# Allegro board board_orcad.brd (continued)
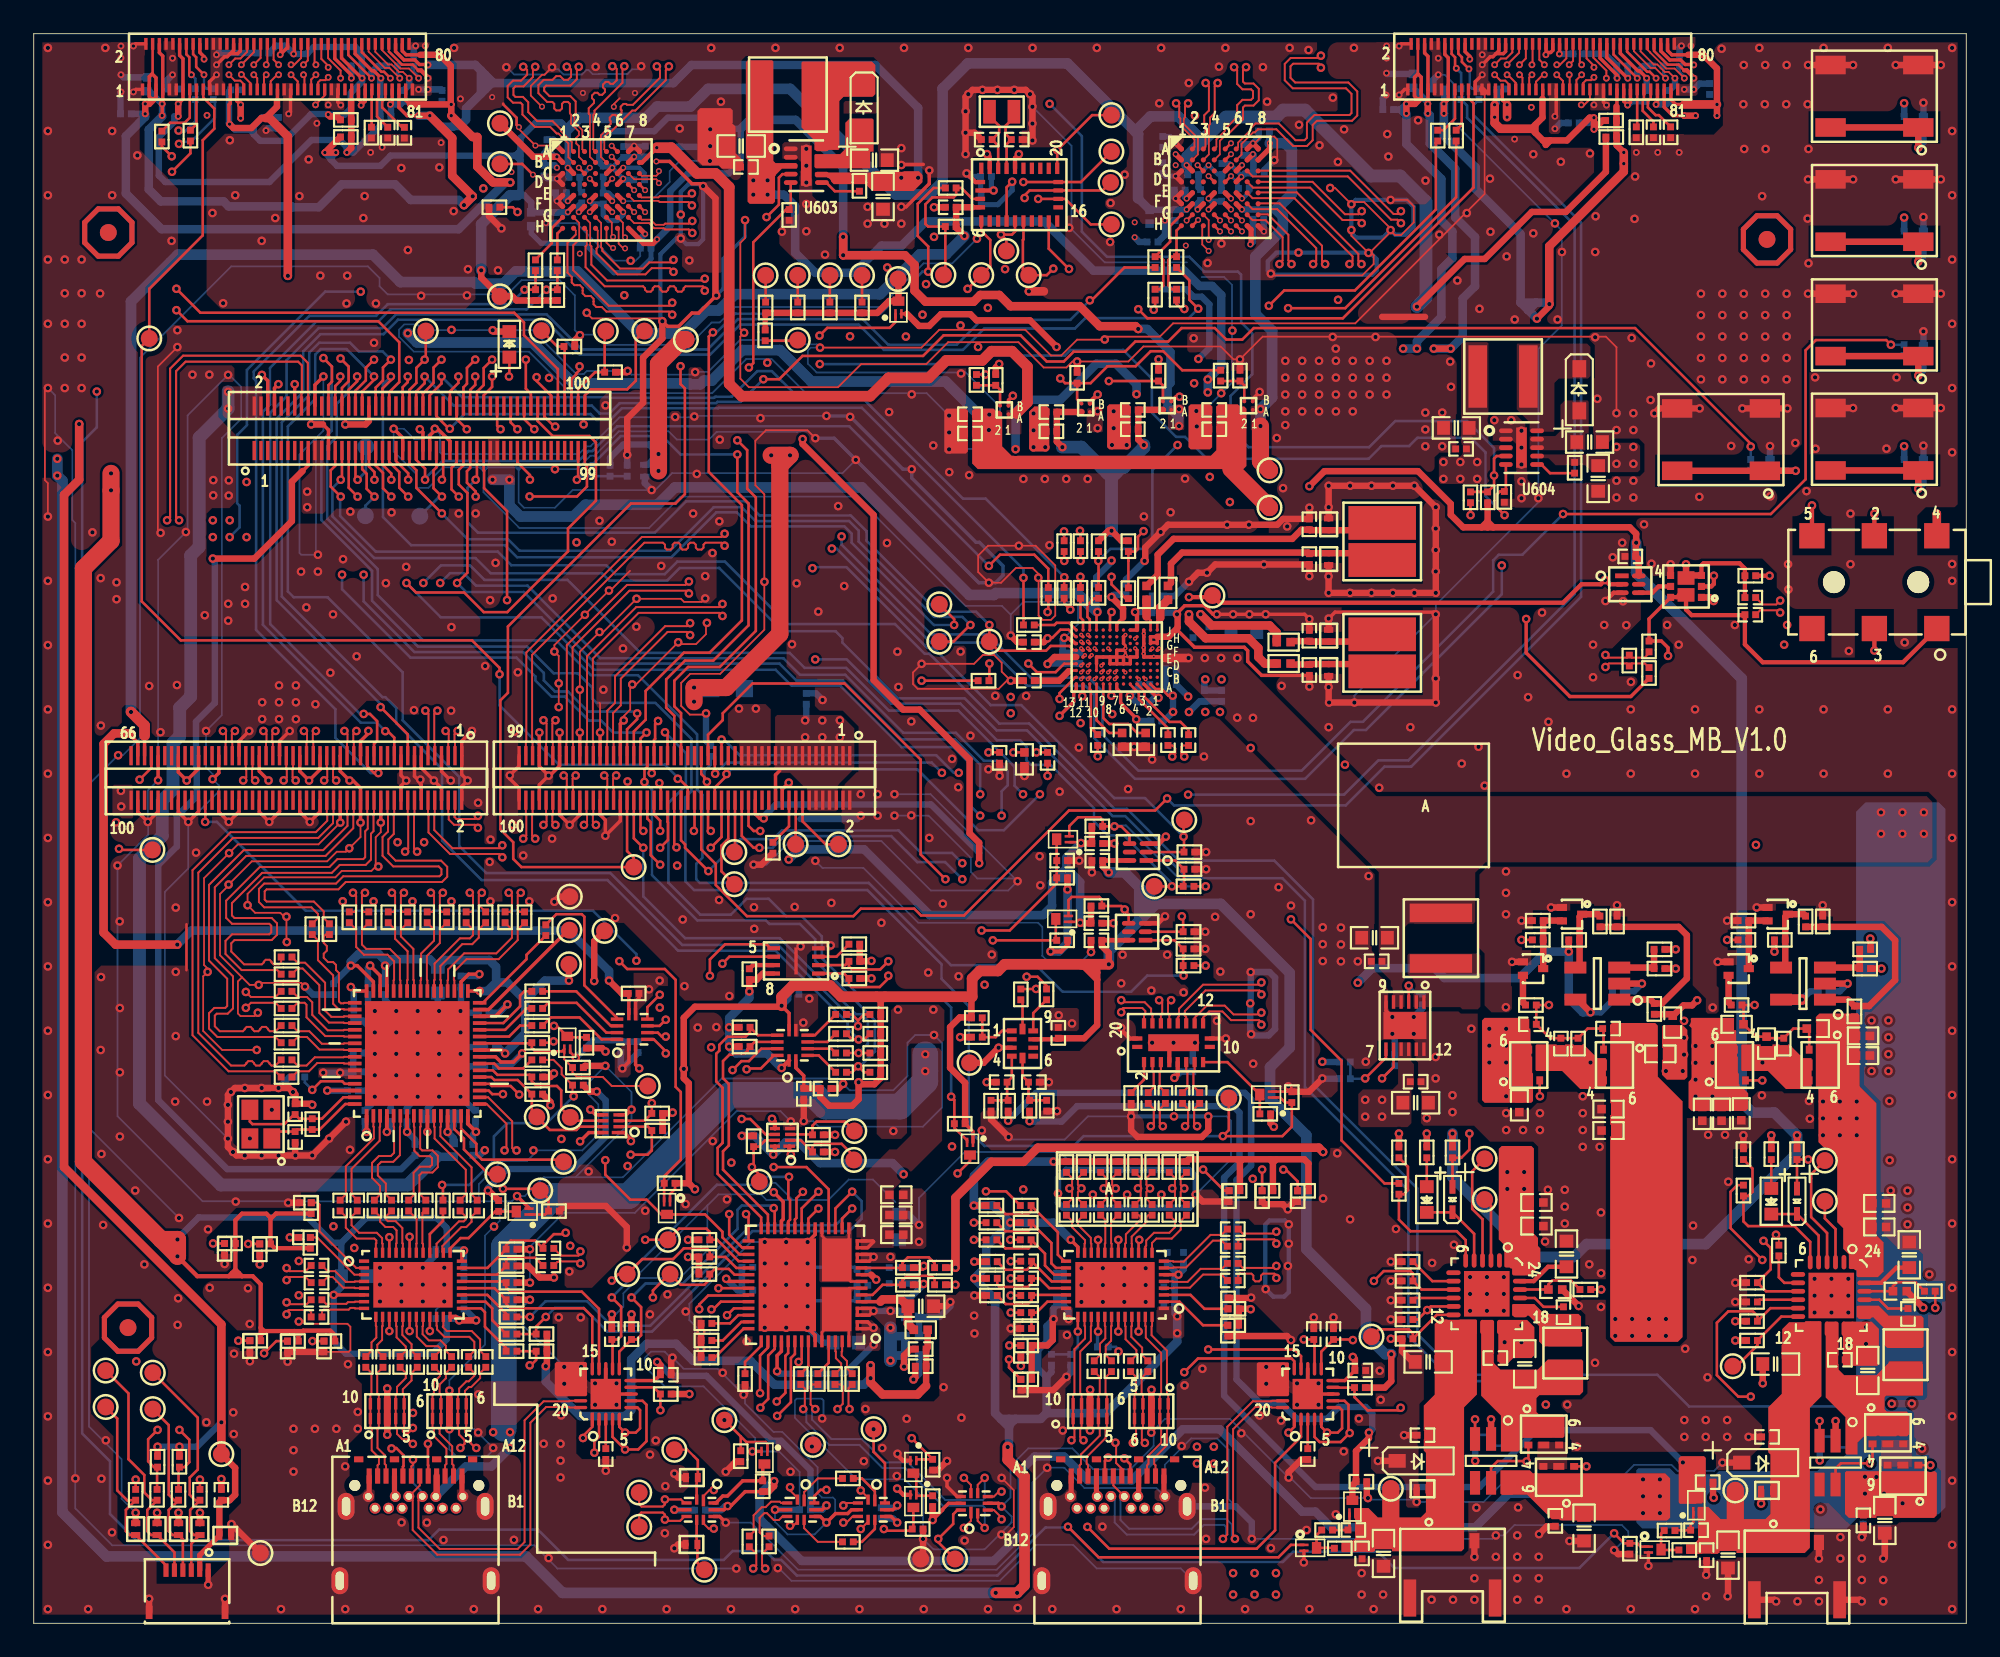
[diagram p0: board, top side]
## Routing (per net, layer and track width the routed paths; a pad name or vN(x,y) marks a point on that pad's centre or on a via; arc(x,y) is an arc through that point) (continued)
USB1_SS_RX_P: length 78.1
  TOP w0.114: J501.69 11.77,52.24 11.74,52.27 11.74,52.72 v1(11.93,52.9)
  TOP w0.127: v1(66.22,29.47) 66.4,29.65 66.4,30.49 C525.1
  ART06 w0.127: v1(66.22,29.47) 66.29,29.47 66.42,29.6 66.42,30.2 63.25,33.38 63.25,35.15 57.28,41.11 57.28,44.88 56.32,45.85 54.29,45.85 54.08,45.64 52.53,45.64 52.32,45.85 46.56,45.85 42.86,49.55 42.86,51.15 40.93,53.08 38.54,53.08 36.81,54.81 35.21,54.81 34.8,54.4 31.98,54.4 31.52,54.86 26.67,54.86 25.25,56.28 18.54,56.28 17.98,56.85 13.96,56.85 13.25,56.13 13.25,55.95 13.3,55.9 13.3,55.72 13.12,55.54 12.94,55.54 12.89,55.59 12.71,55.59 12.53,55.41 12.53,55.23 12.58,55.18 12.58,55 12.4,54.82 12.22,54.82 12.17,54.87 11.99,54.87 11.75,54.63 11.75,54.19 11.88,54.06 11.91,54.06 12.04,53.93 12.04,53.68 11.91,53.55 11.88,53.55 11.75,53.43 11.75,53.08 v1(11.93,52.9)
USB1_SS_TX_N: length 91.9
  TOP w0.114: v1(12.41,49.97) 12.6,50.15 12.6,50.6 12.57,50.63 J501.65
  TOP w0.127: v1(68.96,29.47) 68.78,29.65 68.78,30.49 C528.1
  ART06 w0.127: v1(68.96,29.47) 68.86,29.57 68.86,29.58 68.86,30.02 65.58,33.3 65.58,39.92 64.84,40.67 61.06,40.67 59.15,42.57 59.15,45.6 57.62,47.13 55.57,47.13 55.12,47.57 52.77,47.57 52.44,47.24 48.62,47.24 44.45,51.41 44.45,54.79 42.66,56.58 29.87,56.58 28.1,58.34 12.98,58.34 9.39,54.75 9.39,51.83 10.04,51.18 12.47,51.18 12.59,51.05 12.59,50.15 v1(12.41,49.97)
USB1_SS_TX_P: length 91.8
  TOP w0.114: v1(13.13,49.97) 12.94,50.15 12.94,50.6 12.97,50.63 J501.63
  TOP w0.127: v1(68.25,29.47) 68.43,29.65 68.43,30.49 C527.1
  ART06 w0.127: v1(13.13,49.97) 12.95,50.15 12.95,51.2 12.61,51.54 12.3,51.54 12.17,51.66 12.17,51.82 12.05,51.94 11.79,51.94 11.67,51.82 11.67,51.66 11.54,51.54 11.28,51.54 11.16,51.66 11.16,51.82 11.03,51.94 10.78,51.94 10.65,51.82 10.65,51.66 10.52,51.54 10.19,51.54 9.74,51.98 9.74,54.6 13.13,57.99 27.96,57.99 29.72,56.22 42.51,56.22 44.09,54.64 44.09,51.26 48.47,46.89 52.58,46.89 52.91,47.22 54.97,47.22 55.42,46.77 57.48,46.77 58.8,45.45 58.8,42.42 60.91,40.31 64.69,40.31 65.22,39.78 65.22,33.16 68.5,29.88 68.5,29.72 v1(68.25,29.47)
USB3_SEL: length 103.4
  TOP w0.152: v1(17.17,75.01) 17.68,74.5 17.68,73.61 17.47,73.4 J302.24 ; TP503.1 70.84,29.24 v1(70.48,28.88) 74.02,28.88 74.57,29.44 R541.1 74.18,30.87 73.89,31.17 Q503.1
  BOTTOM w0.152: v1(17.17,75.01) 17.65,74.52 17.65,70.69 17.05,70.09 17.05,65.39 20.06,62.39 20.06,60.62 22.77,57.9 29.24,57.9 30.82,56.32 32.25,56.32 33.1,55.47 33.1,54.83 33.37,54.56 36.85,54.56 38.99,52.43 38.99,49.33 38.63,48.97 38.63,43.98 39.14,43.47 49.41,43.47 53.81,39.07 53.81,38.2 55.42,36.59 55.42,29.24 56.36,28.3 61.65,28.3 62.23,28.88 v1(70.48,28.88)
USB_D+: length 4
  TOP w0.127: TP403.1 38.75,10.29 39.12,9.91
  TOP w0.152: 39.12,9.91 39.36,9.67 T409.2 39.3,8.57 U403.2
USB_D-: length 3.1
  TOP w0.152: U403.6 39.3,4.72 T410.2 39.34,3.59 TP402.1
USB_HS1_VBUS_DET: length 4.8
  TOP w0.152: v1(32.2,67.79) 32.27,67.87 J302.97
  BOTTOM w0.152: v1(32.2,67.79) 32.41,68.01 R427.2 R428.1 R429.2
USB_HUB_RESET: length 5.5
  TOP w0.152: TP304.1 33.84,76.54 R301.1 33.27,74.17 32.27,73.16 J302.98
USB_ID: length 31.1
  TOP w0.152: J301.53 37.97,53.8 37.49,54.28 37.49,55.96 38.61,57.07 40.28,57.07 42.37,59.16 42.37,66.39 41.71,67.06 v1(41.71,69.29)
  BOTTOM w0.152: R427.1 33.15,68.73 34.8,70.38 37.25,70.38 38.34,69.29 v1(41.71,69.29)
USB_L_SEL: length 132.8
  TOP w0.152: U405.10 50.46,9.49 49.78,10.16 v1(49.78,11.51) ; v1(19.17,73.91) 19.17,73.63 18.67,73.13 J302.30
  ART03 w0.122: v1(19.17,73.91) 19.68,74.43 19.68,78.64 v1(19.38,78.94)
  ART06 w0.122: v1(11.62,64.39) 11.62,62.93 2.9,54.21 2.9,21.54 10.27,14.16 18.32,14.16 19.65,15.49 26.04,15.49 27.57,17.02 38.09,17.02 39.44,15.68 44.36,15.68 44.84,15.2 44.84,12.09 45.26,11.67 49.62,11.67 v1(49.78,11.51)
  BOTTOM w0.152: v1(19.38,78.94) 17.28,78.94 12.64,74.31 12.64,71.03 12.05,70.45 12.05,66.41 12.2,66.26 12.2,64.98 v1(11.62,64.39)
USB_R_SEL: length 131.3
  TOP w0.152: TP501.1 53.61,4.81 v1(53.61,5) 54.5,5.89 54.5,6.46 54.75,6.71 U502.10 ; J302.57 24.27,67.87 v1(24.2,67.79)
  ART03 w0.122: v1(12.62,67.66) 12.88,67.92 17.41,67.92 18.02,67.31 23.71,67.31 v1(24.2,67.79)
  ART06 w0.122: v1(12.62,67.66) 12.62,66.39 12.12,65.89 12.12,63.04 3.19,54.11 3.19,21.8 10.49,14.5 16.62,14.5 17.99,15.88 25.93,15.88 27.39,17.34 38.29,17.34 38.9,16.73 40.78,16.73 41.55,15.96 46.11,15.96 47.02,15.05 47.02,12.54 47.56,11.99 50.08,11.99 54.16,7.91 54.16,5.55 v1(53.61,5)
USB_VBUS_5V: length 42.6
  TOP w1.016: v1(39.14,54.64) v1(39.14,55.47) 41.05,55.47 44.23,58.65 44.23,68.64 v1(44.83,69.24) v1(43.71,69.24) ; v1(37.03,68.32) v1(37.03,69.32) 37.03,74.67 38.47,76.1 TP401.1
  ART06 w1.016: v1(37.03,68.32) v1(37.03,69.32) 39.53,69.32 40.83,68.02 42.49,68.02 v1(43.71,69.24) v1(44.83,69.24)
  BOTTOM w0.381: T411.2 36.39,68.68 v1(37.03,69.32) 36.47,69.88 34.94,69.88 34.16,69.1 R428.2
VOLUME_DOWN: length 143.6
  TOP w0.152: J301.63 35.97,52.45 v1(36.32,52.81) ; v1(110.09,75.8) 109.81,76.07 105.64,76.07 105.03,75.46 105.03,67.82 102.97,65.76 v1(90.65,65.76)
  ART06 w0.122: v1(18.28,62.17) 18.74,62.17 20.29,63.72 31.58,63.72 31.98,63.32 34.83,63.32 38.2,66.69 44.87,66.69 47.13,64.43 v1(47.89,64.43)
  BOTTOM w0.152: v1(36.32,52.81) 34.34,52.81 33.63,53.52 32.91,53.52 31.49,54.94 30.69,54.94 29.74,55.89 29.74,56.12 28.62,57.25 22.33,57.25 18.28,61.3 v1(18.28,62.17) ; v1(90.65,65.76) 88.24,63.35 86.84,63.35 86.51,63.01 86.51,61.16 78.79,53.44 78.05,53.44 75.16,50.55 65.48,50.55 63.35,52.68 63.35,55.24 62.53,56.06 59.11,56.06 56.54,58.62 53.21,58.62 47.89,63.94 v1(47.89,64.43) ; v1(110.09,75.8) R1102.1
VOLUME_UP: length 134.1
  TOP w0.152: v1(10.16,47.51) 10.17,47.52 J501.78
  ART03 w0.122: v1(35.72,39.28) 35.72,40.57 38.98,43.83 38.98,44.38 39.94,45.34 40.2,45.34 43.12,48.26 47.14,48.26 49.99,51.1 49.99,58.29 57.23,65.54 64.13,65.54 65.74,63.93 66.75,63.93 71.77,68.95 78.54,68.95 82.38,72.8 89.87,72.8 107.18,90.11 v1(110.87,90.11)
  BOTTOM w0.152: v1(35.72,39.28) 35.72,39.67 33.15,42.25 16.12,42.25 10.86,47.51 v1(10.16,47.51)
  BOTTOM w0.381: R1101.1 v1(110.87,90.11)
VREG_L14A_2P8: length 97.9
  TOP w0.203: 19.87,71.27 J302.36
  TOP w0.305: J1105.2 9.84,4.04 T1105.2
  TOP w0.381: R1113.1 v1(8.64,10.46) ; TP1101.1 11.94,9.21 11.94,7.62 11.61,7.29 C1106.2 11,7.18 T1105.2 ; 19.87,71.27 19.67,71.07 v1(18.47,71.07) ; R1112.1 v1(7.34,10.46)
  TOP w0.508: TP1101.1 v1(11.12,11.91) 11.12,17.72 1.8,27.04 1.8,66.9 2.69,67.79 v1(2.69,71.09)
  ART03 w0.508: v1(2.69,71.09) 3.38,70.41 17.81,70.41 v1(18.47,71.07)
  BOTTOM w0.381: v1(7.34,10.46) v1(8.64,10.46) 9.67,10.46 v1(11.12,11.91)
VREG_L15A_1P2: length 63.1
  TOP w0.203: v1(13.52,74.01) 13.87,73.66 J302.6
  TOP w1.016: 70.97,68.43 TP704.1
  ART03 w0.508: v1(13.52,74.01) 12.45,75.09 12.45,80.11 12.95,80.62 19.15,80.62 22.17,77.6 v1(22.17,76.48)
  BOTTOM w0.635: v1(22.17,76.48) 22.72,75.93 29.55,75.93 31.98,73.51 38.85,73.51 38.91,73.45 39.51,73.45 39.73,73.67 40.19,73.67 42,75.48 44.23,75.48 46.1,73.61 54.05,73.61 56.01,71.65 v1(56.64,71.65) 56.64,70.76 v1(56.62,70.74)
VREG_L17A_3P3: length 61
  TOP w0.203: 15.94,68.31 16.27,68.65 J302.17
  TOP w0.381: v1(10.62,63.12) 13.08,63.12 15.3,65.34 15.3,67.68 15.94,68.31
  BOTTOM w0.381: R714.2 21.78,26.92 11.47,26.92 7.38,31.01 7.38,44.95 8.48,46.05 8.48,47.85 9.66,49.03 9.66,50.81 9.62,50.86 9.62,53.45 10.74,54.57 10.74,63 v1(10.62,63.12)
VREG_L18A_1P8: length 156.4
  TOP w0.203: v5(94.49,91.6) 94.47,91.6 93.25,92.82 J602.60 ; J602.27 86.65,90.07 v5(86.6,90.02) ; 89.43,90.37 89.45,90.39 J602.41 ; v5(90.43,93.04) 90.45,93.05 J602.46
  TOP w0.381: 89.47,87.91 89.02,88.36 ; 89.47,87.91 89.9,87.91 ; 89.47,87.91 89.63,87.74 89.63,87.65 89.9,87.91 ; 89.02,88.36 88.77,88.6 89.02,88.84 ; 89.02,88.36 89.02,88.84 ; 89.9,87.91 90.88,87.91 92.23,89.26 v5(92.48,89.26) v5(92.48,88.57) 93,89.09 R617.2 ; 89.02,88.84 89.43,89.26 89.43,90.37
  TOP w0.508: v5(86.6,90.02) v5(86.6,89.29) 86.6,88.94 86.94,88.6 88.77,88.6
  ART03 w0.381: v5(90.43,93.04) 93.83,93.04 94.49,92.38 v5(94.49,91.6) 94.49,91.06 93.85,90.42 93.85,89.61 92.81,88.57 v5(92.48,88.57)
  ART06 w0.381: v1(5.19,48.42) 5.19,49.33 v1(5.17,49.35)
  ART06 w0.508: v1(58.2,69.61) 55.51,69.61 54.81,68.91 53.69,68.91 51.18,66.4 51.18,65.6 47.36,61.77 47.36,56.57 46.87,56.08 44.82,56.08 43.42,57.48 36.34,57.48 35.32,58.5 34.55,58.5 33.77,57.72 32.11,57.72 30.69,59.13 26.09,59.13 25.46,59.76 24.14,59.76 23.48,59.1 12.25,59.1 11.7,58.55 10.29,58.55 7.52,55.77 7.52,54.94 6.8,54.22 6.8,51.96 5.17,50.33 v1(5.17,49.35) ; v1(65.37,72.87) 65.81,72.87 67.78,74.84 67.78,76.31 68.36,76.89 70,76.89 70.54,77.42 71.94,77.42 72.38,76.99 74.77,76.99 77.16,79.38 80.46,79.38 81.57,80.49 85.61,80.49 86.23,79.87 92.3,79.87 93.55,81.13 93.55,84.6 93.1,85.05 93.1,87.96 v5(92.48,88.57) v5(92.48,89.26)
  BOTTOM w0.381: v5(86.6,89.29) v5(86.6,90.02) 86.73,90.15 C655.1 ; v5(90.43,93.04) 91.24,93.04 C654.2 ; v5(94.49,91.6) 94.49,92.32 C653.1 ; C652.2 92.17,88.95 v5(92.48,89.26)
  BOTTOM w0.508: v1(65.37,72.87) 65.37,73.44 64.14,74.67 62.99,74.67 60.85,72.53 58.91,72.53 58.2,71.82 v1(58.2,69.61)
VREG_L19A_1P2: length 65.7
  BOTTOM w0.508: R715.2 23.84,27.66
  BOTTOM w0.762: 23.84,27.66 22.17,25.98 11.09,25.98 6.26,30.82 6.26,45.33 7.62,46.69 7.62,48.79 8.26,49.43 8.26,52.19 8.65,52.59 8.65,54.28 9.3,54.93 9.3,63.3 9.8,63.8 9.8,70.29 v1(11.52,72.01) v1(11.52,73.01)
VREG_L21A_3P3: length 207.8
  TOP w0.203: U401.28 25.38,21.98 v1(25.5,22.1) ; U401.6 v1(17.78,19.47)
  TOP w0.254: U401.20 25.01,18.17 v1(25.22,17.96) ; 13.45,17.06 13.71,17.32 ; 13.45,17.06 R424.1 ; 13.45,17.06 13.45,17.53 ; 13.71,17.32 15.44,17.32 ; 13.71,17.32 13.66,17.32 13.45,17.53 ; v1(8.52,21.75) 9.7,20.57 11.56,20.57 ; 11.95,20.97 R412.1 11.95,23.89 12.34,24.28 13.79,24.28 14.04,24.04 14.04,23.97 ; 11.95,20.97 11.75,20.76 ; 11.95,20.97 12.16,20.76 ; 11.56,20.57 12.35,20.57 ; 11.56,20.57 11.75,20.76 ; 12.35,20.57 12.98,20.57 13.45,20.1 13.45,17.53 ; 12.35,20.57 12.16,20.76 ; R414.1 14.36,24.29 14.04,23.97 ; 15.44,17.32 15.95,17.32 ; 15.44,17.32 15.69,17.08 15.69,17.06 ; 15.95,17.32 15.98,17.35 17.58,17.35 17.85,17.08 R416.1 ; 15.95,17.32 15.69,17.06 ; 15.69,17.06 R418.1 ; 14.04,23.97 R420.1 14.29,22.24 R422.1 ; 11.75,20.76 12.16,20.76
  TOP w0.381: v1(33.38,31.52) 32.96,31.52 R728.2 ; R436.1 26.96,25.65 v1(26.92,25.65) ; R410.2 29.31,21.18 30,20.5 v1(30.84,20.5) ; v1(25.22,17.96) v1(26.22,17.96) ; R402.1 R403.1 30.42,15.31 v1(30.35,15.24) ; R813.1 52.99,16.35 C835.1 C836.1 52.9,14.07
  TOP w0.508: v1(49.61,15.29) v1(49.61,14.53) 49.61,14.27 50.32,13.56 52.39,13.56 52.9,14.07
  TOP w1.016: 8.52,21.79 v1(8.52,22.75) 7.56,22.75 ; 8.52,21.79 7.56,22.75 ; 8.52,21.79 v1(8.52,21.75) ; 7.56,22.75 2.95,27.36 2.95,62.53 4.58,64.17 v1(4.58,67.17) v1(4.58,68.17)
  ART03 w0.381: v1(30.84,20.5) 31.73,19.6 31.73,17.23 30.35,15.85 v1(30.35,15.24)
  ART06 w0.381: v1(26.92,25.65) 26.01,25.65 25.5,25.14 v1(25.5,22.1) 26.31,21.29 30.05,21.29 v1(30.84,20.5)
  ART06 w0.762: v1(16.21,66.16) 16.21,67.08 v1(16.21,67.09) 16.21,68.09 14.67,69.63 6.05,69.63 v1(4.58,68.17) v1(4.58,67.17)
  BOTTOM w0.381: v1(26.22,17.96) 25.55,18.63 C411.1 ; v1(26.92,25.65) 26.92,25.79 28.07,26.93 31.98,26.93 33.9,28.85 33.9,31 v1(33.38,31.52) ; 18.23,22.56 19.7,24.02 23.9,24.02 24.48,23.44 C413.1 25.45,22.15 v1(25.5,22.1) C412.1 ; 18.23,22.56 18.23,20.58 C409.1 18.24,19.93 v1(17.78,19.47) 17.78,16.71 18.51,15.98 23.63,15.98 24.48,16.83 C410.1 25.12,18.06 v1(25.22,17.96) ; 18.23,22.56 17.74,22.56 16.24,24.06 9.77,24.06 8.52,22.81 v1(8.52,22.75) v1(8.52,21.75)
  BOTTOM w0.508: v1(30.35,15.24) 30.35,14.33 32.4,12.28 35.07,12.28 35.41,12.63 35.41,15.65 36.34,16.57 38.07,16.57 39.09,15.56 42.48,15.56 43.9,14.14 49.22,14.14 v1(49.61,14.53) v1(49.61,15.29)
VREG_L22A_2P85: length 76.7
  TOP w0.203: J301.30 42.77,47.98 43.04,47.72 v1(43.27,47.72)
  TOP w0.254: U1101.3 v1(56.9,84.94)
  TOP w0.381: v1(56.04,45.06) 56.04,46.27 55.47,46.84 55.47,51.21 52.51,54.17 51.53,54.17 49.78,55.92 49.78,65.7 45.58,69.91 v1(45.58,70.21)
  ART03 w0.381: v1(45.58,70.21) 45.58,80.99 46.51,81.92 46.51,85.5 49.23,88.21 51.94,88.21 54.95,85.21 56.63,85.21 v1(56.9,84.94)
  BOTTOM w0.305: C1101.1 56.77,85.07 v1(56.9,84.94)
  BOTTOM w0.381: v1(43.27,47.72) 43.27,47.82 43.99,48.54 53.19,48.54 56.04,45.69 v1(56.04,45.06)
VREG_L23A_1P8: length 55.1
  TOP w0.203: v5(15.41,93.04) 15.45,93.08 J601.46 ; 14.42,90.25 14.45,90.27 J601.41 ; v5(19.46,91.6) 19.44,91.6 18.25,92.79 J601.60 ; J302.23 17.47,70.75 17.14,71.07 ; J601.27 11.65,90.1 11.57,90.02 11.57,88.91 v5(11.61,88.87)
  TOP w0.381: 14.42,90.25 14.42,89.91 13.75,89.24 13.49,89.24 12.9,88.65 11.84,88.65 v5(11.61,88.87) ; v5(17.46,89.44) 17.56,89.33 17.98,89.33 R615.2 ; 17.14,71.07 v1(16.44,71.07)
  TOP w0.508: v1(15.06,79.88) 15.06,88.14 13.97,89.24 13.75,89.24
  ART03 w0.508: v1(16.44,71.07) 16.18,71.34 16.18,78.77 v1(15.06,79.88)
  BOTTOM w0.381: 13.04,88.33 13.04,88.27 13.42,87.88 14.85,87.88 16.44,89.47 17.42,89.47 v5(17.46,89.44) 18.42,89.44 18.8,89.81 18.8,90.73 19.46,91.39 v5(19.46,91.6) 19.46,92.32 C640.2 19.45,93.07 19.07,93.45 16.59,93.45 16.21,93.07 16.21,93.04 v5(15.41,93.04) 14.92,93.52 14.38,93.52 13.94,93.09 C641.1 ; 13.04,88.33 13.04,88.76 ; 13.04,88.33 12.83,88.54 ; 13.04,88.76 12.83,88.54 ; 13.04,88.76 13.55,89.27 C639.1 ; 12.83,88.54 11.94,88.54 v5(11.61,88.87) 11.57,88.91 11.57,90.8 C638.2
VREG_L29A_3P3: length 249.4
  TOP w0.102: 60.4,17.98 v1(60.45,18.03)
  TOP w0.203: J302.51 23.07,70.61 v1(22.89,70.79) ; U501.6 v1(67.85,20.67) ; v1(61.47,22.73) 61.89,22.31 U501.20
  TOP w0.381: v1(60.45,27.37) R508.1 R507.1 R506.1 R505.1 R504.1 R503.1 R502.1 R501.1 68.46,27.51 71.37,27.51 ; 60.4,17.98 60.4,16.79 60.08,16.47 R533.1 R531.1 ; 73.28,27.51 73.66,27.51 ; 73.28,27.51 73.45,27.33 73.45,27.3 ; 73.28,27.51 71.65,27.51 ; 73.66,27.51 73.45,27.3 ; 73.66,27.51 75.31,27.51 75.56,27.26 R535.1 ; 73.45,27.3 R527.1 ; R509.1 v1(55.75,20.45) ; 71.5,27.35 R539.1 ; 71.5,27.35 71.5,27.38 71.37,27.51 ; 71.5,27.35 71.65,27.51 ; 71.37,27.51 71.65,27.51 ; R520.2 v1(57.89,23.75) ; R529.1 71.43,17.68 R537.1 72.11,18.64 v1(72.14,18.62) ; R519.2 v1(55.73,24.77)
  TOP w0.635: v1(57.73,10.45) 57.73,9.7 58.73,8.71 58.73,2.24 v1(58.29,1.8) v1(57.02,1.8)
  ART03 w0.381: v1(22.89,70.79) 21.9,69.8 2.16,69.8 v1(1.4,69.04) v1(1.4,68.04)
  ART05 w0.381: v1(72.14,18.62) 68.21,18.62 v1(67.78,18.2)
  BOTTOM w0.381: v1(67.85,20.67) 67.63,20.44 C521.1 C523.1 67.63,18.35 v1(67.78,18.2) ; v1(67.85,20.67) 68.16,20.97 C522.1 ; v1(67.85,20.67) 67.19,21.33 C520.1 ; v1(61.34,18.03) 61.34,18.54 C519.1 60.45,18.67 v1(60.45,18.03) 60.03,17.62 60.03,16.55 59.91,16.55 59.54,16.18 59.54,15.09 60.03,14.59 60.33,14.88 R514.2
  BOTTOM w0.508: v1(67.78,18.2) v1(67.78,17.2) 67.78,16.7 63.54,12.46 60.03,12.46 ; 57.81,11.63 57.33,12.12 ; 57.81,11.63 57.81,10.53 v1(57.73,10.45) ; 57.81,11.63 57.81,11.73 ; 57.33,12.12 56.99,12.46 56.99,19.21 v1(55.75,20.45) 56.46,21.16 56.46,22.33 v1(57.89,23.75) ; 57.33,12.12 57.81,12.12 ; 57.81,11.73 58.19,12.12 ; 57.81,11.73 57.81,12.12 ; 58.19,12.12 59.69,12.12 60.03,12.46 ; 58.19,12.12 57.81,12.12 ; 60.03,12.46 60.03,14.59 ; v1(57.89,23.75) 56.87,24.77 v1(55.73,24.77) 55.73,26.52 56.58,27.37 v1(60.45,27.37) ; v1(57.89,23.75) 60.45,23.75 v1(61.47,22.73)
  BOTTOM w0.635: v1(1.4,69.04) v1(1.4,68.04) 1.7,67.73 1.7,6.58 4.32,3.96 29.18,3.96 31.34,1.8 v1(57.02,1.8) v1(58.29,1.8)
VREG_LVS1A_1P8: length 120.5
  TOP w0.152: v1(62.03,41.53) 61.97,41.58 Q702.1 ; v1(62.08,46.25) 62.02,46.31 Q701.1
  TOP w0.203: U701.8 35.28,37.3 R712.2 ; U702.1 35,29.09 35.4,28.69 v1(35.4,28.59) ; v1(32.99,30.45) 33.31,30.14 U702.5 ; 5.77,52.76 5.77,52.6 6.17,52.2 J501.97
  TOP w0.381: R712.2 34.86,37.34 v1(34.1,38.1) ; R710.1 C705.1 62.05,41.5 v1(62.03,41.53) ; v1(62.08,46.25) 62.1,46.23 C706.1 R707.1 ; R704.2 R705.2 37.82,30.23 v1(37.87,30.28)
  TOP w0.508: v1(8.51,40.23) 4.85,40.23 4.14,40.94 4.14,52.13 4.77,52.76 5.77,52.76
  ART03 w0.508: v1(44.75,45.28) 43.53,44.05 40.83,44.05 39.32,42.54 39.32,41.48 35.94,38.1 v1(34.1,38.1)
  ART05 w0.508: v1(34.1,38.1) 36,38.1 36.72,38.82 38.46,38.82 39.23,38.04 39.23,36.58 38.59,35.94 38.59,34.73 39.22,34.11 39.22,31.62 v1(37.87,30.28) 36.37,28.78 35.59,28.78 v1(35.4,28.59) 34.86,28.59 v1(32.99,30.45)
  BOTTOM w0.508: 61.21,44.75 61.21,45.39 v1(62.08,46.25) ; 61.21,44.75 61.57,44.4 ; 61.21,44.75 60.86,44.4 ; 61.57,44.4 61.8,44.17 ; 61.57,44.4 60.86,44.4 ; 61.8,44.17 62.03,43.94 v1(62.03,41.53) ; 61.8,44.17 60.63,44.17 ; v1(34.1,38.1) 34.1,38.67 31.7,41.07 9.34,41.07 v1(8.51,40.23) ; 60.63,44.17 60.36,43.9 60.36,42.51 59.84,41.99 53.11,41.99 49.22,45.88 45.35,45.88 v1(44.75,45.28) ; 60.63,44.17 60.86,44.4
VREG_LVS2A_1P8: length 92.4
  TOP w0.203: 6.57,52.63 J501.95
  TOP w0.254: v1(56.51,87.1) 56.67,86.93 U1101.28 ; 55.63,83.94 U1101.5
  TOP w0.381: 55.63,83.94 55.62,83.95 C1102.1 R1110.2 54.68,82.74 v1(55.17,82.25)
  TOP w0.635: v1(5.77,54.03) 6.57,53.22 6.57,52.63
  ART06 w0.508: v1(56.51,87.1) 56.16,86.75 56.16,83.55 55.17,82.56 v1(55.17,82.25)
  BOTTOM w0.635: v1(55.17,82.25) 54.08,81.15 52.53,81.15 50.16,78.79 41.57,78.79 40.6,77.83 39.85,77.83 38.49,76.47 35.9,76.47 32.22,80.14 28.57,80.14 27.85,79.42 26.2,79.42 26.1,79.51 21.73,79.51 20.11,81.14 8.54,81.14 5.77,78.36 v1(5.77,54.03)
VREG_S4A_1P8: length 608.7
  TOP w0.152: Q401.1 37.72,25.45 38.01,25.75 R426.1 ; v1(63.05,59.95) 63,59.9 U1001.J10
  TOP w0.203: R511.1 55.67,29.15 Q502.1 ; v1(65.35,53.59) 65.35,53.64 64.43,54.57 64.43,55.18 64.2,55.41 U1001.A7 ; v3(62.09,58.2) 62.2,58.09 U1001.G12 ; 64.57,59.62 64.2,59.25 U1001.J7 ; U805.8 44.77,36.17 v1(44.33,36.61) ; U701.2 35.68,33.11 v1(35.89,32.89) ; U1001.C9 63.4,56.48 v3(63.29,56.37) ; v1(66.67,54.87) 66.55,54.99 66.49,54.99 U1001.A3 ; U1001.J5 U1001.J4 ; U805.2 45.17,32.93 45.64,32.46 C832.1 ; Q301.2 51.76,77.63
  TOP w0.254: v1(43.76,29.91) 43.93,29.73 U804.5 ; U1001.J4 65.4,59.84 v1(65.28,59.95) ; C927.1 60.67,34.62 U905.8 ; v1(44.88,27.79) 44.78,27.88 U804.1
  TOP w0.279: U703.6 63.37,45.22 C707.1 ; C708.1 63.32,40.5 U704.6
  TOP w0.305: U602.C2 v2(31.66,86.29) ; U601.C2 v2(68.34,86.44) ; U601.F2 v2(68.34,83.81) ; U602.F2 v2(31.66,83.66)
  TOP w0.381: 50.21,36.88 50.47,37.14 ; 50.21,36.88 R833.2 R834.2 R829.2 R830.2 50.21,32.33 49.82,31.95 49.1,31.95 48.98,32.08 v1(48.9,32.08) 48.9,31.06 48.51,30.68 47.14,30.68 46.62,31.21 C833.1 45.66,31.7 C832.1 ; 50.21,36.88 50.21,36.9 49.96,37.14 ; 63.04,38.56 63.04,38.16 ; 63.04,38.56 63.04,39.07 ; 63.04,38.56 62.53,39.07 ; 63.04,38.16 63.04,35.45 62.27,34.68 C927.1 ; 63.04,38.16 62.13,39.07 ; C707.1 63.36,44.88 v1(63.72,44.52) ; v1(63.73,39.07) 63.73,39.73 63.31,40.15 C708.1 ; 86.18,64.97 85.83,64.97 ; 86.18,64.97 86.18,65.3 ; 86.18,64.97 86.51,64.97 ; 85.83,64.97 84.73,64.97 84,65.71 84,66.36 82.06,68.3 76.51,68.3 v1(75.62,67.41) ; 85.83,64.97 86.18,65.32 ; R625.2 R624.2 28.62,78.42 28.37,78.66 TP309.1 26.52,79.78 v1(26.52,80.21) ; U1001.E13 60.51,57.28 v1(60.1,56.87) ; 86.18,65.3 86.51,64.97 ; 86.18,65.3 86.18,65.32 ; 86.51,64.97 94.61,64.97 94.99,64.59 v1(94.99,64.06) 94.96,64.03 C1031.1 95.14,63.07 U1003.6 ; v1(63.89,60.84) 64.57,60.16 64.57,59.62 ; R913.1 v1(84.1,29.03) ; 51.76,77.63 52.48,76.91 53.08,76.91 53.78,77.61 55.52,77.61 55.89,77.24 59.05,77.24 v1(60.63,75.67) ; R1018.1 64.48,64.18 v1(63.89,64.77) 63.71,64.77 R1019.1 ; v1(33.89,33.89) 33.69,34.1 R726.1 ; v1(80.47,15.95) 80.47,14.35 80.09,13.97 R526.1 ; 38.84,26.09 R426.1 ; 38.84,26.09 38.83,26.09 38.83,32.01 38.53,32.31 v1(38.53,32.87) 38.53,35.89 39.19,36.55 44.27,36.55 v1(44.33,36.61) ; 38.84,26.09 v1(39.19,25.73) ; R828.2 v1(47.5,27.94) ; U708.A2 65.48,71.94 C731.1 C732.1 65.47,70.18 v1(65.8,69.85) ; v1(60.98,69.72) 60.65,70.05 C730.1 C729.1 60.65,71.81 U709.A2 ; R827.2 v1(47.5,28.96) ; R924.1 v1(104.52,28.93) ; R616.2 93.19,86.05 90.82,83.67 88.8,83.67 86.01,80.88 84.82,80.88 v1(81.99,78.05) ; R511.1 55.21,32.04 54.32,32.93 54.32,35.34 54.89,35.92 55.56,35.92 R935.1 55.59,37.1 55.63,37.14 ; R614.2 v5(17.26,87.19) v5(17.91,87.19) ; R401.1 v1(38.86,13.59) ; 86.18,65.32 R605.2
  TOP w0.635: v1(44.33,36.61) 44.33,37.14 45,37.81 47.2,37.81 47.87,37.14 55.63,37.14 55.63,38.22 56.08,38.67 57.16,38.67 57.55,39.07 v1(63.73,39.07)
  GND02 w0.127: v4(64.08,57.6) 64.08,57.39 63.57,56.88 63.57,56.66 63.29,56.38 v3(63.29,56.37)
  GND02 w0.254: 61.06,57.72 61.53,58.2 v3(62.09,58.2)
  GND02 w0.381: 61.06,57.72 60.2,56.87 v1(60.1,56.87)
  ART03 w0.381: v1(63.05,59.95) 63.05,59.72 64.08,58.69 v4(64.08,57.6) ; v1(63.89,60.84) 64.16,61.11 66.85,61.11 69.01,63.27 71.48,63.27 v1(75.62,67.41) ; v1(39.19,25.73) 39.26,25.66 39.26,24.29 42.06,21.49 42.06,17.58 38.86,14.38 v1(38.86,13.59)
  ART03 w0.635: v1(35.89,32.89) 35.89,33.19 35.19,33.89 v1(33.89,33.89)
  ART05 w0.635: 64.47,51.24 63.42,50.2 62.37,50.2 59.7,52.87 59.7,55.56 ; 64.47,51.24 64.47,52.96 65.1,53.59 v1(65.35,53.59) 65.35,53.8 66.42,54.87 v1(66.67,54.87) ; 64.47,51.24 65.71,50 65.71,46.5 v1(63.72,44.52) ; v1(65.8,69.85) 66.04,70.09 66.04,71.96 v1(69.04,74.96) 69.83,75.75 75.23,75.75 76.59,77.11 81.04,77.11 v1(81.99,78.05) ; 59.27,55.97 59.7,56.4 ; 59.27,55.97 59.29,55.97 59.7,55.56 ; 59.27,55.97 58.85,55.97 58.17,56.65 58.17,57.54 58.89,58.26 58.89,60.24 59.75,61.1 61.9,61.1 v1(63.05,59.95) ; 59.7,56.4 60.1,56.8 v1(60.1,56.87) ; 59.7,56.4 59.7,55.56
  ART05 w0.762: v1(63.89,64.77) 64.95,63.71 64.95,60.84 ; 64.95,60.84 65.28,60.5 v1(65.28,59.95) ; 64.95,60.84 v1(63.89,60.84) 63.56,60.84 63.05,60.33 v1(63.05,59.95)
  ART06 w0.381: v1(60.63,75.67) 61.19,75.67 64.59,79.07 64.59,83.43 64.97,83.81 v2(68.34,83.81) ; v4(64.08,57.6) 64.08,59.25 64.78,59.95 v1(65.28,59.95) ; v1(44.88,27.79) 44.88,28.79 v1(43.76,29.91) ; v1(47.5,28.96) 47.5,29.36 48.9,30.76 v1(48.9,32.08) ; v1(35.89,32.89) 36.25,32.54 38.2,32.54 v1(38.53,32.87)
  ART06 w0.635: v1(44.88,27.79) 47.35,27.79 v1(47.5,27.94) v1(47.5,28.96)
  BOTTOM w0.381: 28.85,86.71 28.85,84.83 28.68,84.66 29.06,84.66 29.49,84.23 R601.2 29.5,83.64 C609.1 31.64,83.64 v2(31.66,83.66) ; 28.85,86.71 28.85,87.01 ; 28.85,86.71 28.56,87 28.56,87.01 ; C612.1 31.72,86.23 v2(31.66,86.29) 31.66,88.58 31.27,88.98 29.77,88.98 28.85,88.05 28.85,87.3 ; C831.1 44.71,36.99 v1(44.33,36.61) ; 67.65,83.79 68.32,83.79 v2(68.34,83.81) ; 67.65,83.79 R602.2 ; 67.65,83.79 C611.1 ; 28.85,87.3 28.56,87.02 28.56,87.01 ; 28.85,87.3 28.85,87.01 ; C1019.1 66.15,55.39 v1(66.67,54.87) 66.42,54.87 66.18,54.62 C1022.1 ; C1021.1 C1033.1 60.12,56.9 v1(60.1,56.87) ; 28.85,87.01 28.56,87.01 ; 17.6,86.84 v5(17.26,87.19) v5(17.91,87.19) 17.6,86.88 17.6,86.84 ; 17.6,86.84 17.6,86.78 17.98,86.4 20.55,86.4 21.16,87.01 28.56,87.01 ; v2(68.34,86.44) 68.4,86.38 C610.1 ; v1(69.04,74.96) 69.69,75.61 69.69,78.19 69.24,78.64 68.75,78.64 68.31,79.09 R627.2 R626.2 ; v1(65.35,53.59) 65.46,53.49 C1023.1 ; v1(63.05,59.95) 62.98,60.02 C1032.1 ; C1020.1 64.01,60.97 v1(63.89,60.84) ; C1024.1 66.3,59.92 C1018.1 66.24,59.95 v1(65.28,59.95)
  BOTTOM w0.508: R602.2 65.46,84.48
  BOTTOM w0.635: 66.02,43.16 66.53,42.65 ; 66.02,43.16 65.53,43.64 ; 66.02,43.16 66.02,42.14 ; 66.53,42.65 70.36,42.65 74.45,38.56 74.45,34.13 73.28,32.96 73.28,31.08 75.44,28.93 75.44,22.17 78.97,18.64 78.97,17.09 80.11,15.95 v1(80.47,15.95) ; 66.53,42.65 66.02,42.14 ; 65.3,88.44 61.27,92.47 55.37,92.47 53.87,90.98 53.87,85.47 53.11,84.7 51.1,84.7 44.84,90.96 39.97,90.96 38.93,89.92 36.95,89.92 36.28,89.25 32.33,89.25 31.66,88.58 ; 65.3,88.44 66.19,89.33 67.84,89.33 69.28,87.9 68.34,86.96 v2(68.34,86.44) ; 65.3,88.44 65.46,88.29 65.46,84.48 ; v1(63.72,44.52) 64.66,44.52 65.53,43.64 ; v1(94.99,64.06) 94.99,62.26 101.24,56.01 101.24,30.9 101.86,30.28 103.17,30.28 v1(104.52,28.93) 104.52,27.89 99.11,22.48 92.05,22.48 91.29,21.72 88.82,21.72 84.1,26.44 v1(84.1,29.03) ; 65.53,41.65 63.73,39.85 v1(63.73,39.07) ; 65.53,41.65 66.02,42.14 ; 65.53,41.65 65.53,43.64 ; 62.98,60.02 62.68,60.32 62.59,60.32 62.33,60.58 62.33,60.59 61.85,61.07 57.03,61.07 56.92,60.96 55.46,60.96 49.09,67.34 38.01,67.34 36.98,66.31 32.7,66.31 32,65.61 28.85,65.61 28.2,66.26 v1(28.2,67.79) v1(27.2,67.79) ; v1(26.52,80.21) 26.52,82.94 28.24,84.66 28.68,84.66
  BOTTOM w0.762: 64.47,68.52 64.6,68.52 65.8,69.71 v1(65.8,69.85) ; 64.47,68.52 64.16,68.21 ; 64.47,68.52 63.31,68.52 ; v1(60.98,69.72) 62.1,69.72 63.31,68.52 ; v1(81.99,78.05) 82.52,78.59 82.52,84.28 81,85.8 79.26,85.8 75.36,89.71 74.06,89.71 73.64,89.29 70.67,89.29 69.28,87.9 ; 63.31,68.52 63.61,68.21 ; 63.61,68.21 63.89,67.94 ; 63.61,68.21 64.16,68.21 ; 63.89,67.94 v1(63.89,64.77) ; 63.89,67.94 64.16,68.21
VSYNC: length 7.3
  TOP w0.203: TP701.1 31.67,41.09 26.96,36.38 U705.31
WDOG_DISABLE: length 1.6
  TOP w0.152: TP312.1 R311.1
WM8998_GPIO5: length 43.2
  TOP w0.203: U1001.E11 62.71,57.39 v3(62.71,57.39)
  TOP w0.254: v1(99.59,62.1) 99.59,61.62 99.44,61.47 U1002.2 ; U1003.2 93.4,61.59 v1(93.14,61.85) 92.89,61.59 91.74,61.59 90.65,60.5 70.3,60.5 TP1004.1 69.77,60.83 v1(68.48,60.83)
  GND02 w0.152: v3(62.71,57.39) 62.71,57.16 v4(62.86,57.01)
  ART03 w0.122: v4(62.86,57.01) 62.93,57.01 63.12,56.82 63.45,56.82 63.83,57.2 65.43,57.2 67.13,58.91 67.13,60.07 67.84,60.78 68.43,60.78 v1(68.48,60.83)